# Altium PCB FMC_ADC_130M_16B_4CH.PcbDoc (part 2 of 8) (continued)
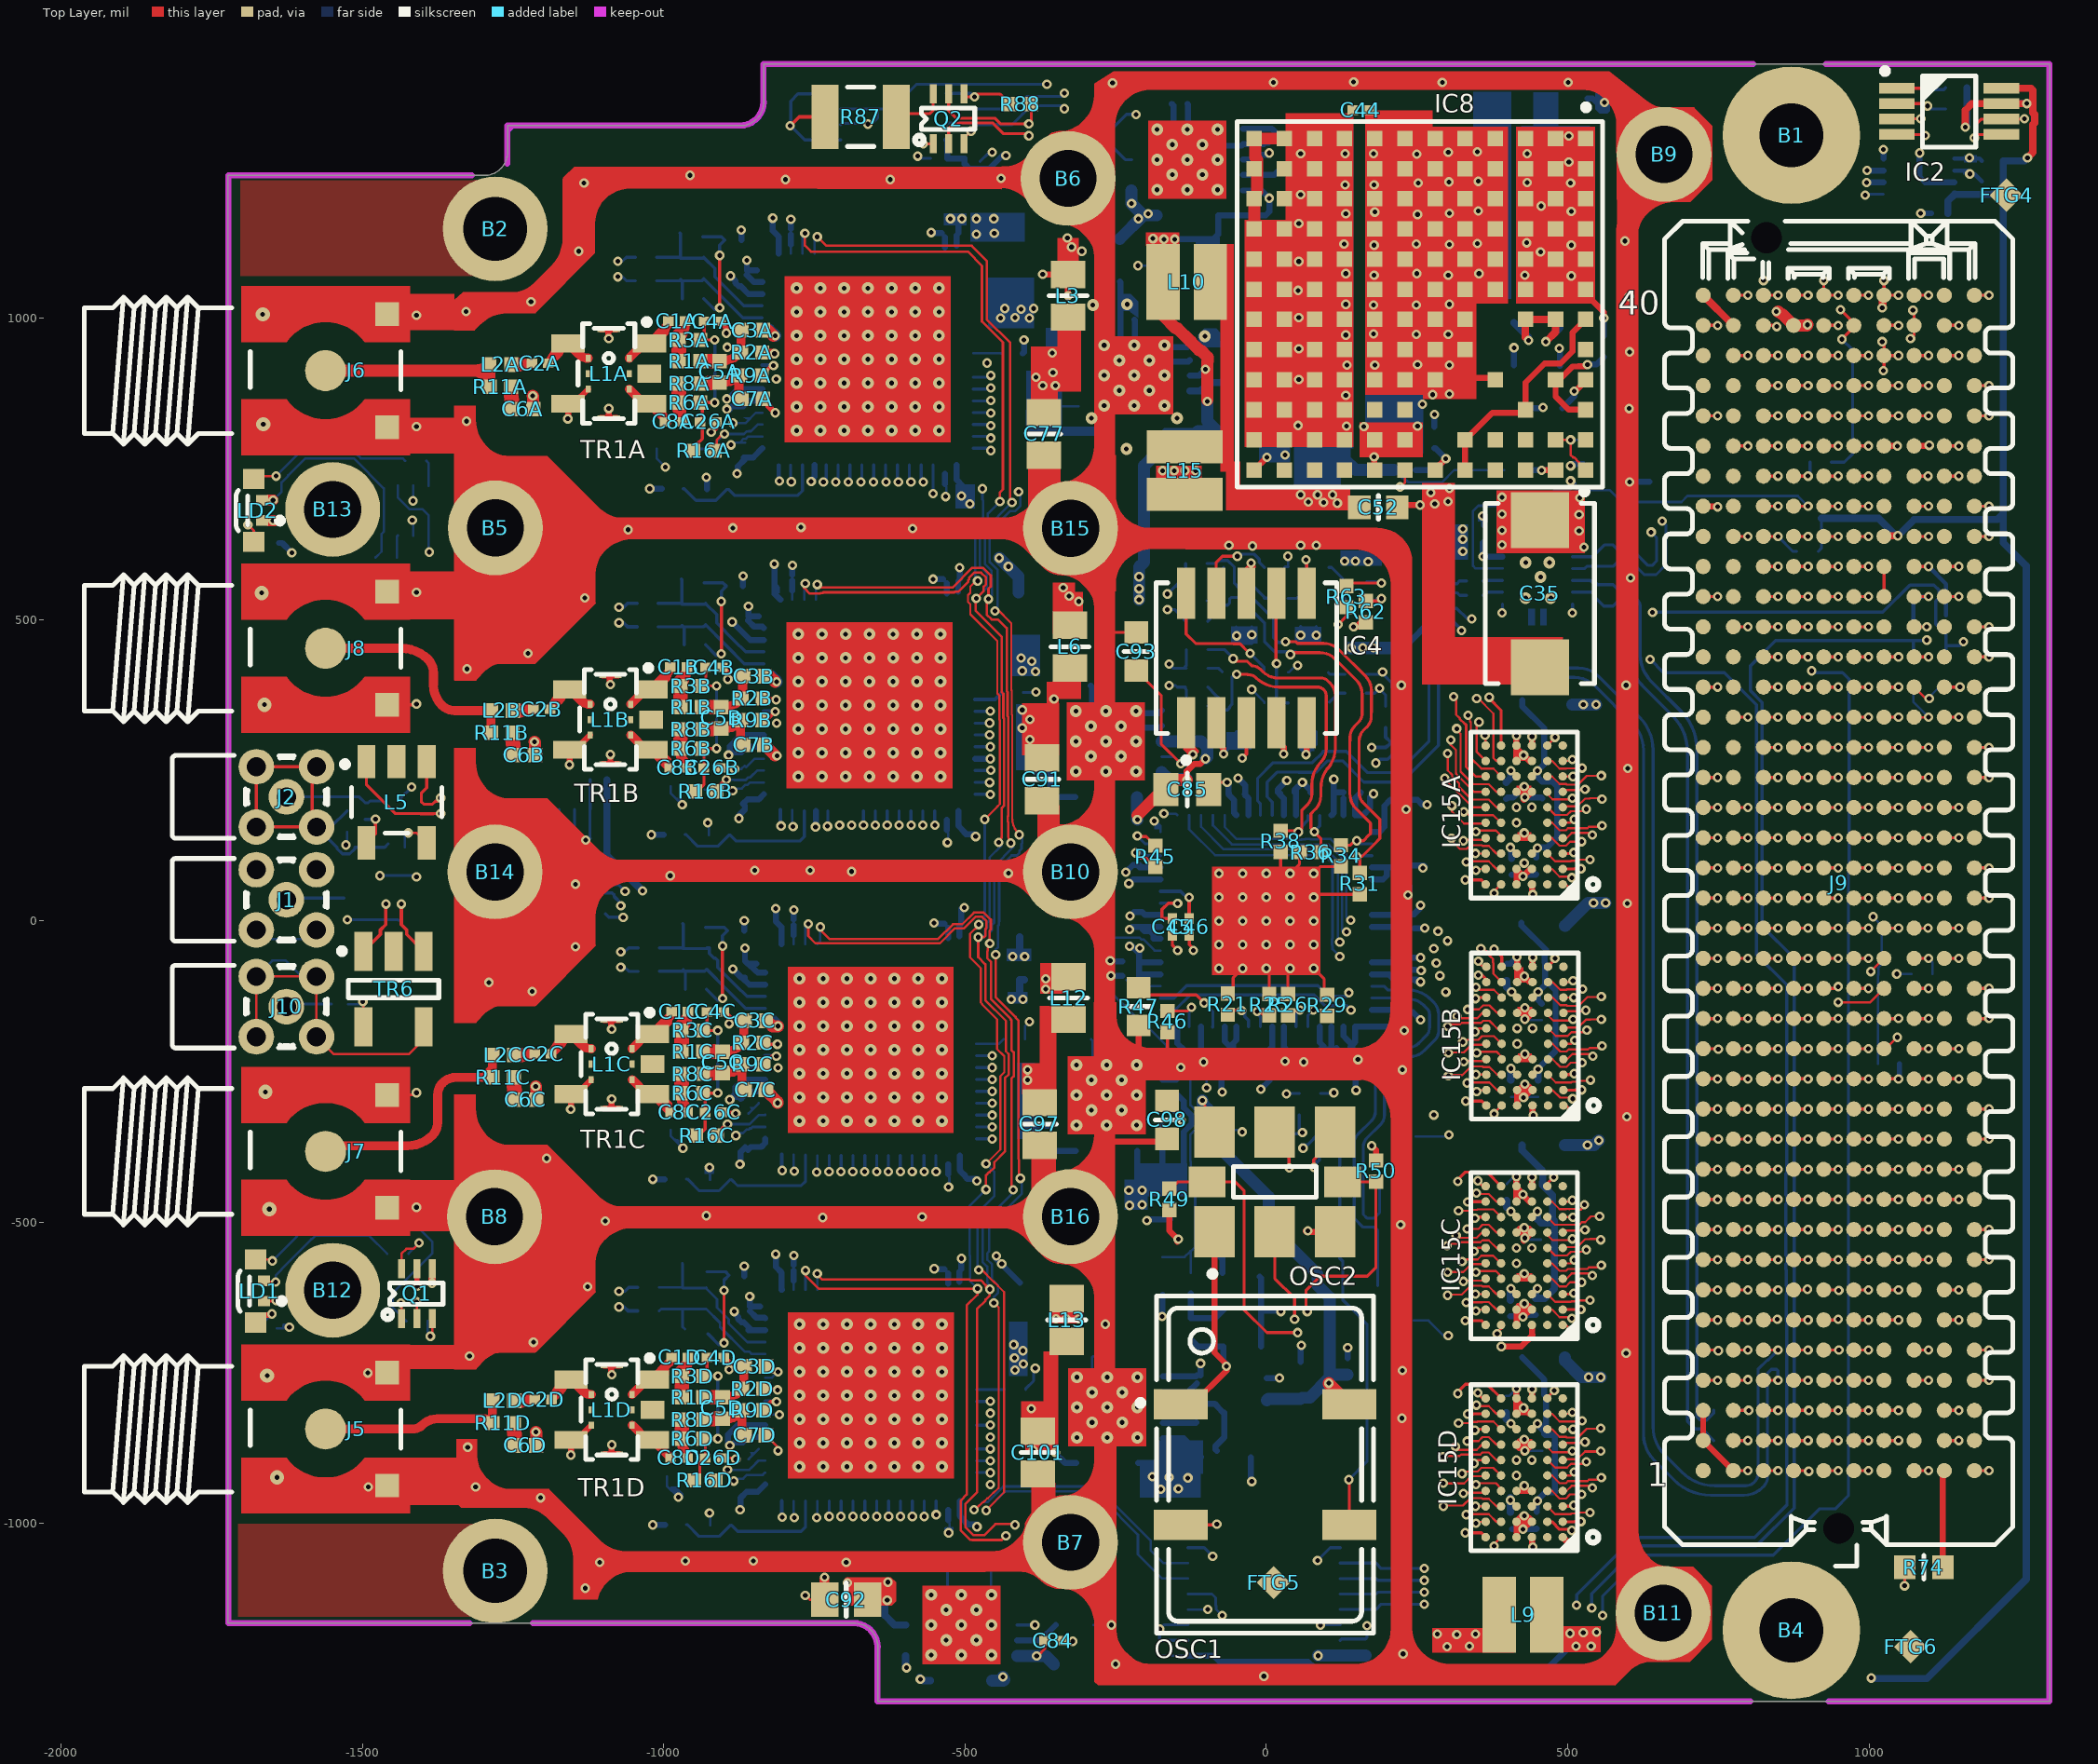
[diagram p0: Top Layer view]
## Part data (continued)
R83: library part R0402_390K_1%_0.0625W_100PPM, "Resistor - 1%"
R87: library part R1210_270R_5%_0.5W_200PPM, "Resistor - 5%"
R88: library part R0402_4K7_1%_0.0625W_100PPM, "Resistor - 1%"
TR1A TR1B TR1C TR1D TR2 TR3 TR4 TR5: library part XFMR_ANAREN_BD0205F5050A00, "70MHz - 1000MHz Ultra Low Profile Sub-Miniature Balanced to Unbalanced Transformer"
TR6: library part XFMR_MINI-CIRCUITS_TC1-1+, "50 Ohm  0.4 To 500MHz RF Transformers"

## Free pads (board coordinates)
  round 0 on Mid1: EndPad(8.34,553.66) StartPad(18.33,592.87)

## Via types
v1: diameter 15.75, hole 7.87, Top Layer to Bottom Layer, tented both sides, 1354 vias
v2: diameter 19.68, hole 7.87, Top Layer to Bottom Layer, tented both sides, 285 vias
v3: diameter 15.75, hole 7.87, Top Layer to Bottom Layer, 12 vias
v4: diameter 23.62, hole 7.87, Top Layer to Bottom Layer, tented both sides, 8 vias

## Nets (pads, with @x,y where several pads share a name; then routed paths per layer and width w, separated by ;. In a path a pad name is that pad's centre, name@x,y a point inside that pad or via, vN(x,y) a via of type N, cw(c..) or ccw(c..) an arc to the next point about the centre after c; other vN are vias at no path point)
3P3VAUX: C31.1 C41.1 C74.1 IC2.7 IC2.8 IC5.8 IC13.8 J9.d32 R4.2 R5.2 R32.2 R43.2 R44.2 | length 8251.5
  Top Layer w12: J9.d32@1024.92,638.01 1025.92,639 v1(1048,639) ; v1(1160,1317) 1160,1345 1170.8,1355.8 IC2.7@1219.61,1355.8 v1@1262,1355.8 ; IC2.8@1219.61,1381.39 1268.61,1381.39 1272,1378 1272,1356 ; v1(1263,1266) 1272,1275 1272,1321.14 1274.87,1324.01 1274.87,1337.99 1272,1340.86 1272,1354
  L5 w12: v1(-1035,50) -1052,67 -1084,67 -1125,26 -1181,26 -1255,-48 -1362,-48 -1708.32,-394.32 -1708.32,-935.68 -1663.39,-980.61 -1227.35,-980.61 -1181.83,-1026.13 -1181.83,-1131.17 -1162.2,-1150.8 -689.57,-1150.8 -689.57,-1150.34 -672.82,-1150.34 -672.65,-1150.52 -652.44,-1150.52 -630.11,-1172.85 -630.11,-1243.89 -593.27,-1280.72 416.28,-1280.72 441,-1256 v1(1004,-1256)
  Bottom Layer w5: R5.2@915.72,613 921,618.28 921,668
  Bottom Layer w12: C41.1@-1094.22,234 -1094.22,109.22 v1(-1035,50) ; 921,668 1016,668 1045,639 v1(1048,639) 1075,666 1213,666 1222.72,675.72 ; v1(1004,-1256) 1005,-1257 1096,-1257 1261,-1092 1261,589 1222.72,627.28 1222.72,675.72 ; C31.1@1130.78,1174 1130.78,1194.2 IC5.8@1142.06,1205.47 1142.34,1205.19 1203.24,1205.19 1203.52,1205.47 1214.47,1205.47 1222.72,1213.72 ; v1(1160,1317) 1162.72,1319.72 R32.2@1162.72,1347 R4.2@1162.72,1382 ; C74.1@1239,1356.78 1261.22,1356.78 v1(1262,1356) ; v1(1263,1266) 1258,1261 R43.2@1222.72,1261 R44.2@1222.72,1227 1222.72,1213.72 ; 1222.72,675.72 1222.72,1213.72
ACTIVE1_CLK_N: IC3.34 R34.1 R69.1 | length 714.4
  Top Layer w5: v1(40,442) 44.09,446.09 45.04,445.14 89.09,445.14 cw(c89.09,409.47) 114.31,434.69 149.09,399.91 cw(c124.82,375.65) 159.14,375.65 159.14,353.35 159.14,344.69 cw(c137.7,344.69) 152.86,329.53 146.24,322.92 146.24,322.46 ccw(c163.73,304.97) 139,304.97 139,298.82 138.67,298.49 138.67,211.63 ccw(c175.62,211.63) 149.5,185.51 173,162 173,144.85 170.16,142.01 ; R34.1@124,125.72 139.67,125.72 145.09,131.13 148.13,131.13 v1@149,132 ; v1(150,133) 161.01,133 170.09,142.08
  Bottom Layer w5: R69.1@-97.28,497 -70.44,523.84 -64.18,523.84 -60.86,527.16 -60.86,534.09 -58.31,536.64 -45,536.64 -3,494.64 -3,463.33 13.65,446.67 48.33,446.67 50,445 ; v1(150,133) 150,129 151.05,127.95 IC3.34@175.2,127.95
ACTIVE1_CLK_P: IC3.35 R31.1 R68.1 | length 777
  Top Layer w5: v1(32,463.33) 48.53,463.33 51.39,460.46 95.23,460.46 cw(c95.23,424.28) 120.81,449.87 164.32,406.36 ; v1@151,106 155,102 R31.1@155,79.72 ; v1@151,107 158.67,107 185.84,134.16 185.84,134.32 ; 164.34,406.33 cw(c139.82,381.86) 174.46,381.86 174.46,346.17 174.14,345.84 174.14,338.15 cw(c153.49,338.15) 168.09,323.55 168.09,323.09 161.43,316.43 ccw(c179.37,298.49) 154,298.49 154,212.83 ccw(c178.52,212.83) 161.18,195.49 188.33,168.35 188.33,136.81 185.84,134.32 ; 184.55,133.03 185.84,134.32
  Bottom Layer w5: R68.1@-98.28,593 -82.69,593 -77.53,598.16 -64.18,598.16 -52.88,586.86 -52.88,559.85 -45,551.97 -38.65,551.97 12.33,500.99 12.33,469.67 20,462 26,462 v1@32,468 ; v1(150,107) 151.27,108.27 IC3.35@175.2,108.27
ACTIVE2_CLK_N: IC3.28 R38.1 R71.1 | length 570.6
  Top Layer w4.98: v1(-49,409) -31,409 ccw(c-29.18,410.82) -29.18,408.25 -28.49,408.25 cw(c-28.49,391.99) -16.99,403.49 ccw(c20.35,440.83) 20.35,388.02 84.87,388.02 cw(c84.87,373.26) 95.3,383.69 ; R38.1@24,149.72 48.28,149.72 v1@51,147 ; v1(53.25,147.59) 59.14,153.47 59.14,184.21 68.33,193.4 ccw(c51.12,210.62) 75.47,210.62 75.47,225.31 cw(c131.37,225.31) 90.16,263.08 ccw(c67.61,285.64) 91.37,264.37 ccw(c67.61,285.64) 91.84,264.9 ccw(c67.61,285.64) 99.5,285.64 99.5,373.57 ccw(c85.18,373.57) 95.32,383.68
  Bottom Layer w4.98: R71.1@-97.28,357 -90.3,350.01 -69.01,350.01 ; -69,350 -66,350 -64.25,350.01 -61.04,353.23 -61.04,354.96 -57,359 -57,404 v1@-50.5,410.5 ; v1(53.25,147.59) 58.59,147.59 59,148 58.64,148 58.64,156.44 68.9,166.7 IC3.28@68.9,175.2
ACTIVE2_CLK_P: IC3.29 R36.1 R70.1 | length 563.7
  Top Layer w4.98: v1(-55,435) -50.64,430.64 -31.45,430.64 -24.04,423.23 cw(c-24.04,402.72) -9.54,417.22 -6.4,414.08 ccw(c20.35,440.83) 20.35,403 91.07,403 cw(c91.07,388.24) 101.51,398.68 106.39,393.79 cw(c86.86,374.27) 114.48,374.27 114.48,285.64 cw(c67.61,285.64) 106.82,259.96 ; v1(80,148) 74.12,153.88 74.12,178 81.35,185.24 ccw(c59.4,207.19) 90.45,207.19 90.45,219.9 cw(c144.43,219.9) 106.24,258.05 ; v1@81,146 90.72,136.28 R36.1@90.72,114 ; 100.75,252.49 ccw(c67.61,285.64) 106.82,259.96 ; 106.26,258.07 106.82,258.63 106.82,259.96
  Bottom Layer w4.98: R70.1@-97.28,450 -69,450 v1@-54.5,435.5 ; v1(80,148) 79,148 88.58,157.58 IC3.29@88.58,175.2
ACTIVE3_CLK_N: IC3.53 R29.1 R63.1 | length 910.1
  Top Layer w5: R29.1@99,-157.72 90.05,-148.77 v1@78,-148.77 ; v1@119,490 119,491 133,505 R63.1@133,520.28 ; v1@78,-148.77 78.38,-148.38 v1(78,-148) v1@78,-148.77
  L5 w5: v1@78,-149 82,-145 85.81,-145 ; v1@83.86,-144.84 ccw(c83.86,-129.84) 94.46,-140.45 129.43,-105.48 129.66,-105.48 152.52,-82.62 ccw(c111.53,-41.63) 169.5,-41.63 169.5,28.07 cw(c221.24,28.07) 184.65,64.65 ccw(c154.99,94.32) 196.94,94.32 196.94,166.73 cw(c222.93,166.73) 204.55,185.11 ccw(c183.76,205.9) 213.16,205.9 213.16,315.74 cw(c247.99,315.74) 223.35,340.35 244.86,361.86 ccw(c219.45,387.26) 255.38,387.26 255.38,402.74 ccw(c208.73,402.74) 241.72,435.73 186.56,490.89 ccw(c144.34,448.67) 157.07,507 ccw(c144.34,448.67) 154.27,507.54 ccw(c144.34,448.67) 144.34,508.37 136.56,508.37 124.63,496.44 124.63,492.63 124,492 v1(119,492)
  Bottom Layer w5: IC3.53@68.9,-175.2 68.9,-157.1 v1(78,-148) 78.38,-148.38 78,-148.77 v1@78,-149
ACTIVE3_CLK_P: IC3.54 R26.1 R62.1 | length 800.7
  Top Layer w5: v1@145,487 153.28,495.28 R62.1@165,495.28
  Top Layer w5.33: 48,-150 cw(c50.52,-150) v1@48.74,-148.22
  L5 w5: v1@57.64,-144.06 71.86,-129.84 76.48,-129.84 ccw(c76.48,-112.01) 89.08,-124.62 141.8,-71.9 ccw(c111.53,-41.63) 154.34,-41.63 154.34,34.28 cw(c206.24,34.28) 169.54,70.98 ccw(c139.99,100.53) 181.78,100.53 181.78,172.95 cw(c207.93,172.95) 189.44,191.44 ; v1(145,488) 150.71,488 cw(c150.71,446.25) 180.21,475.79 230.19,425.81 cw(c205.98,401.6) 240.22,401.6 240.22,393.48 cw(c204.45,393.48) 229.76,368.21 ; 189.45,191.45 ccw(c168.76,212.11) 198,212.11 198,321.95 cw(c232.99,321.95) 208.25,346.69 229.74,368.18
  Bottom Layer w5: IC3.54@49.21,-175.2 49.21,-152.21
  other v1: 56,-148
ACTIVE4_CLK_N: IC3.57 R25.1 R67.1 | length 688.4
  Top Layer w5: v1(-15,-150) -1.72,-150 R25.1@5,-156.72 -4.28,-156.72 v1@-9.84,-151.16
  L5 w5: v1(-15,-150) -16,-149 -16,-122 -11,-117 55.52,-117 77.19,-95.33 87.7,-95.33 94.24,-88.79 94.24,-70.58 108.35,-56.47 108.35,117.35 120,129 120,199.29 182,261.29 v1(182,262)
  Bottom Layer w5: v1@-14.54,-154.08 -9.84,-158.78 IC3.57@-9.84,-175.2 ; v1(182,262) 188,268 200,268 ; 200,267.65 200.51,267.65 221.5,288.64 221.5,295 221.5,297.31 230,305.81 R67.1@230,320.28
ACTIVE4_CLK_P: IC3.58 R21.1 R66.1 | length 694.6
  Top Layer w5.72: R21.1@-64,-155.72 -56.69,-148.41 v1(-41,-148.41)
  L5 w5: v1(-41,-148.41) -41,-140 -31.35,-130.35 -31.35,-115.64 -17.36,-101.65 45.42,-101.65 60.61,-86.46 60.61,-67.78 69.49,-58.9 84.21,-58.9 93,-50.11 93,123.71 104.65,135.36 104.65,205.65 161.27,262.27 161.27,270.59 173.41,282.73 174,282.73 175,283.73 v1(175,288)
  Bottom Layer w5.71: v1(-41,-148.41) -35.73,-148.41 -35.73,-158.59 -29.53,-164.79 IC3.58@-29.53,-175.2 ; v1(175,288) 198,288 200,290 ; R66.1@198,320.28 198,304.81 206.15,296.67 206.15,295 200.57,289.43
ADC1_CLK_N: C11A.1 R57.2 R69.2 | length 1539.3
  L5 w4.98: v1(-1076,1094.37) -1076,1130.97 cw(c-1020.4,1130.97) -1059.72,1170.28 -1053.46,1176.54 cw(c-1020.96,1144.03) -1020.96,1190 -672.45,1190 cw(c-672.45,1136.25) -634.48,1174.29 ; -634.44,1174.26 -513.3,1053.11 ccw(c-476.82,1089.59) -476.82,1038 -392.59,1038 cw(c-392.59,993.13) -360.86,1024.86 -347.31,1011.31 cw(c-386.73,971.89) -330.98,971.89 -330.98,855.02 ccw(c-274.9,855.02) -314.58,815.39 ; -314.56,815.37 -212.01,712.82 cw(c-250.65,674.18) -196,674.18 -196,545.57 -167.05,516.63 v1(-164,516.63)
  Bottom Layer w4.98: v1(-1076,1094.37) -1068.41,1094.37 -1061.79,1101 C11A.1@-1046.91,1101 ; v1(-164,516.63) -152.34,516.63 R69.2@-135.36,499.64 ; R57.2@-133.72,531 -133.72,501.28 R69.2@-135.36,499.64 ; R69.2@-133,500 -134,500 R69.2@-134.86,499.14 ; R69.2@-132.72,497 -134.36,498.64 R69.2@-134.86,499.14 ; R69.2@-135.36,499.64 -136,499 -135,499 R69.2@-134.86,499.14 ; R69.2@-135.36,499.64 R69.2@-134.86,499.14
ADC1_CLK_P: C9A.1 R56.2 R68.2 | length 1596.9
  L5 w4.98: v1(-1076,1068.63) -1079.05,1068.63 -1096.36,1085.94 -1096.36,1137.18 cw(c-1053.76,1137.18) -1083.89,1167.3 -1059.67,1191.52 ; -1059.64,1191.55 cw(c-1027.16,1159.01) -1027.16,1204.98 -666.25,1204.98 cw(c-666.25,1151.23) -628.25,1189.25 -507.09,1068.09 ccw(c-470.61,1104.57) -470.61,1052.98 -386.38,1052.98 cw(c-386.38,1008.11) -354.67,1039.86 ; -354.65,1039.84 -333.24,1018.42 cw(c-374.85,976.81) -316,976.81 -316,855.43 ccw(c-273.92,855.43) -303.68,825.68 -197.02,719.03 cw(c-235.67,680.38) -181.02,680.38 -181.02,559.39 v1(-164,542.37)
  Bottom Layer w4.98: v1(-1076,1068.63) -1068.41,1068.63 -1061.79,1062 C9A.1@-1046.91,1062 ; v1(-164,542.37) -143.33,563.04 -143.33,562 R56.2@-133.72,562 ; R56.2@-137,556 -133.72,559.28 R56.2@-133.72,562 ; R68.2@-133.72,593 R56.2@-133.72,562
ADC1_CLKA_N: C11A.2 C13A.1 IC1A.13 R15A.2 R18A.2 | length 259.6
  Bottom Layer w5.3: C11A.2@-1011.47,1101 -973.47,1101 C13A.1@-972.19,1099.72 ; R18A.2@-972.91,1141 -972.19,1140.28 C13A.1@-972.19,1099.72 ; R15A.2@-933.19,1100.72 R15A.2@-932.19,1099.72 ; IC1A.13@-836.39,1020.32 -866.62,1020.32 -884.85,1038.54 -914.73,1068.46 -914.73,1082.25 R15A.2@-932.19,1099.72 ; C13A.1@-972.19,1099.72 R15A.2@-932.19,1099.72
ADC1_CLKA_P: C9A.2 C13A.2 IC1A.12 R15A.1 R17A.2 | length 237
  Bottom Layer w5.3: C9A.2@-1011.47,1062 C13A.2@-969.91,1062 ; C13A.2@-972.19,1064.28 C13A.2@-969.91,1062 ; R17A.2@-968.72,1032 -968.72,1060.81 C13A.2@-969.91,1062 ; -900.15,1032.2 -868.58,1000.63 IC1A.12@-836.39,1000.63 ; -900.15,1032.25 R15A.1@-933.19,1065.28 -936.47,1062 C13A.2@-969.91,1062
ADC1_CLKB_N: C11B.2 C13B.1 IC1B.13 R15B.2 R18B.2 | length 259.6
  Bottom Layer w5.3: C11B.2@-1008.76,527 -970.76,527 C13B.1@-969.47,525.72 ; R18B.2@-970.19,567 -969.47,566.28 C13B.1@-969.47,525.72 ; R15B.2@-930.47,526.72 R15B.2@-929.47,525.72 ; IC1B.13@-833.68,446.32 -863.91,446.32 -882.13,464.54 -912.01,494.46 -912.01,508.25 R15B.2@-929.47,525.72 ; C13B.1@-969.47,525.72 R15B.2@-929.47,525.72
ADC1_CLKB_P: C9B.2 C13B.2 IC1B.12 R15B.1 R17B.2 | length 237
  Bottom Layer w5.3: C9B.2@-1008.76,488 C13B.2@-967.19,488 ; C13B.2@-969.47,490.28 C13B.2@-967.19,488 ; R17B.2@-966,458 -966,486.81 C13B.2@-967.19,488 ; -897.43,458.2 -865.86,426.63 IC1B.12@-833.68,426.63 ; -897.43,458.25 R15B.1@-930.47,491.28 -933.76,488 C13B.2@-967.19,488
ADC1_CLKC_N: C11C.2 C13C.1 IC1C.13 R15C.2 R18C.2 | length 267.3
  Bottom Layer w5.3: C11C.2@-1006.68,-44.57 -968.68,-44.57 C13C.1@-967.39,-45.86 ; R18C.2@-968.11,-4.57 -967.39,-5.29 C13C.1@-967.39,-45.86 ; R15C.2@-928.39,-44.86 R15C.2@-924.2,-44.86 ; -880.05,-107.04 -861.83,-125.26 IC1C.13@-831.6,-125.26 ; -880.05,-106.99 -909.93,-77.11 -909.93,-65.72 -913.83,-61.83 -916.58,-61.83 -924.2,-54.21 R15C.2@-924.2,-44.86 ; C13C.1@-967.39,-45.86 -925.2,-45.86 R15C.2@-924.2,-44.86
ADC1_CLKC_P: C9C.2 C13C.2 IC1C.12 R15C.1 R17C.2 | length 237
  Bottom Layer w5.3: C9C.2@-1006.68,-83.57 C13C.2@-965.11,-83.57 ; C13C.2@-967.39,-81.29 C13C.2@-965.11,-83.57 ; R17C.2@-963.92,-113.57 -963.92,-84.76 C13C.2@-965.11,-83.57 ; -895.36,-113.37 -863.79,-144.94 IC1C.12@-831.6,-144.94 ; -895.36,-113.33 R15C.1@-928.39,-80.29 -931.68,-83.57 C13C.2@-965.11,-83.57
ADC1_CLKD_N: C11D.2 C13D.1 IC1D.13 R15D.2 R18D.2 | length 269
  Bottom Layer w4.37: C11D.2@-1007.57,-608 -969.57,-608 C13D.1@-968.28,-609.28 ; R18D.2@-969,-568 -968.28,-568.72 C13D.1@-968.28,-609.28 ; IC1D.13@-831.49,-698.68 -860.93,-698.68 -891.89,-667.72 -891.89,-660.79 -911.29,-641.39 -911.29,-627.63 -929.28,-609.64 R15D.2@-929.28,-608.28 -930.28,-609.28 C13D.1@-968.28,-609.28
ADC1_CLKD_P: C9D.2 C13D.2 IC1D.12 R15D.1 R17D.2 | length 246.1
  Bottom Layer w4.37: C9D.2@-1007.57,-647 -1004.28,-643.72 R15D.1@-929.28,-643.72 -906.26,-666.74 -906.26,-673.67 -865.51,-714.42 -858,-714.42 -854.05,-718.37 IC1D.12@-831.49,-718.37 ; C13D.2@-968.28,-644.72 -968.28,-673.53 R17D.2@-964.81,-677
ADC2_CLK_N: C11B.1 R41.2 R71.2 | length 1189.5
  L5 w5: -1081.78,567.22 ccw(c-1049.99,535.47) -1094.92,535.47 -1094.92,517.08 -1093,515.16 -1079.21,515.16 v1(-1074,520.37) ; -1081.76,567.24 -1049.7,599.3 cw(c-1017.41,567) -1017.41,612.67 -522.69,612.67 cw(c-522.69,545.04) -474.87,592.86 -309.09,427.09 ccw(c-245.26,490.91) -309.05,427.05 ccw(c-245.26,490.91) -245.26,400.65 -171.02,400.65 v1(-161,390.63)
  Bottom Layer w5: v1(-161,390.63) -150.41,390.63 -147.79,388 R41.2@-134,388 ; R41.2@-134,385 -132.72,383.72 R71.2@-132.72,357
  Bottom Layer w5.71: v1(-1074,520.37) -1066.41,520.37 -1059.79,527 C11B.1@-1044.19,527
ADC2_CLK_P: C9B.1 R33.2 R70.2 | length 1244.8
  L5 w5: v1(-1074,494.63) -1079.21,499.84 -1099.35,499.84 -1110.24,510.73 -1110.24,541.68 cw(c-1064.99,541.68) -1096.99,573.69 -1056.15,614.53 cw(c-1023.62,582) -1023.62,628 -516.47,628 cw(c-516.47,560.04) -468.46,608.13 ; v1(-161,426) -171.02,415.98 -239.05,415.98 cw(c-239.05,505.91) -302.64,442.32 -468.42,608.1 ; -468.42,608.1 ccw(c-516.47,560.04) -468.46,608.13
  Bottom Layer w5: v1(-161,426) -154,419 R33.2@-132.72,419 ; R33.2@-135,421 -132.72,423.28 R70.2@-132.72,450
  Bottom Layer w5.71: v1(-1074,494.63) -1066.41,494.63 -1059.79,488 C9B.1@-1044.19,488
ADC3_CLK_N: C11C.1 R61.2 R63.2 | length 1819.9
  Top Layer w5: R63.2@136,558 138.37,560.37 v1(191,560.37)
  L5 w5: v1(-1071,-51.2) -1065.63,-56.57 -1022.04,-56.57 ccw(c-1022.04,-4.75) -985.42,-41.42 ; -985.4,-41.4 -902.57,41.43 cw(c-860.15,-0.99) -860.15,59 -467.36,59 cw(c-467.36,-15.36) -414.78,37.22 -404,26.44 ccw(c-373.96,56.48) -373.96,14 -289.87,14 ccw(c-289.87,57.15) -259.39,26.61 ; -259.36,26.64 -248.41,37.59 cw(c-227.71,16.89) -227.71,46.16 -219.38,46.16 ; -221.5,46 ccw(c-221.5,59.83) -219.38,46.16 ; -36.88,226.12 -55.77,207.23 cw(c-84.91,236.37) -84.91,195.16 -111.11,195.16 ccw(c-111.11,156.13) -138.71,183.73 -174.38,148.06 ccw(c-143.91,117.6) -187,117.6 -187,91.83 cw(c-227.64,91.83) -198.9,63.1 -203.66,58.34 -203.66,58.11 -211.72,50.05 cw(c-221.5,59.83) -213.33,48.67 cw(c-221.5,59.83) -219.38,46.16 ; -36.85,226.15 ccw(c-61.64,250.88) -26.63,250.88 -26.63,272.99 cw(c13.93,272.99) -14.75,301.66 -9.81,306.61 ccw(c-56.85,353.65) 9.68,353.65 9.68,366.76 ccw(c-21.56,366.76) 0.53,388.85 -0.78,390.16 cw(c30.22,421.17) -13.63,421.17 -13.63,443.84 cw(c40.98,443.84) 2.37,482.45 61.26,541.35 cw(c94.22,508.39) 94.22,555 185.63,555 v1(191,560.37)
  Bottom Layer w5: v1(-1071,-51.2) -1064.41,-51.2 -1057.79,-44.57 C11C.1@-1042.11,-44.57 ; R61.2@166.72,563 181.21,563 183.84,560.37 v1(191,560.37)
ADC3_CLK_P: C9C.1 R60.2 R62.2 | length 1791.2
  Top Layer w5: R62.2@165,530.72 189.72,530.72 192,533 v1@192,534
  L5 w5: v1(-1071,-76.95) -1065.79,-71.74 -1016.02,-71.74 ccw(c-1016.02,-19.29) -978.93,-56.38 -891.85,30.71 cw(c-860.15,-0.99) -860.15,43.84 -473.57,43.84 cw(c-473.57,-30.36) -421.12,22.12 ; -421.1,22.11 -410.71,11.71 ccw(c-379.63,42.79) -379.63,-1.16 -283.66,-1.16 ccw(c-283.66,42.15) -253.03,11.52 -242.08,22.47 cw(c-221.5,1.89) -221.5,31 ccw(c-221.5,59.83) -201.11,39.44 -183.79,56.77 ; -183.76,56.8 ccw(c-212.64,85.62) -171.84,85.62 -171.84,112.21 cw(c-130.91,112.21) -159.85,141.15 -132.38,168.62 cw(c-104.9,141.13) -104.9,180 -78.69,180 ccw(c-78.69,221.37) -49.46,192.09 ; -49.44,192.12 -21.76,219.8 ccw(c-46.63,244.66) -11.46,244.66 -11.46,272.99 cw(c14.48,272.99) -3.86,291.34 0.8,296 ccw(c-56.85,353.65) 24.68,353.65 24.68,366.76 ccw(c-21.56,366.76) 11.14,399.46 cw(c34.31,422.63) 1.54,422.63 1.54,441.8 cw(c45.91,441.8) 14.52,473.16 71.98,530.63 ; 72,530.64 cw(c94.22,508.39) 94.22,539.84 185.79,539.84 v1(191,534.63)
  Bottom Layer w5: v1(-1071,-76.95) -1064.41,-76.95 -1057.79,-83.57 C9C.1@-1042.11,-83.57 ; R60.2@166.72,532 181.21,532 183.84,534.63 v1(191,534.63)
ADC4_CLK_N: C11D.1 R59.2 R67.2 | length 2026.7
  L5 w5: v1(-1074,-614.63) -1068.63,-620 -1004.01,-620 ccw(c-1004.01,-557.21) -959.62,-601.62 ; -959.61,-601.61 -900.06,-542.06 cw(c-831.93,-610.18) -831.93,-513.84 -491.51,-513.84 ccw(c-491.51,-451.85) -447.68,-495.68 -389.74,-437.74 ccw(c-435,-392.49) -371,-392.49 -371,-273.32 ; -370.84,-273.32 -370.84,-248.12 cw(c-288.04,-248.12) -361.42,-209.77 cw(c-288.04,-248.12) -346.59,-189.57 -337.14,-180.13 cw(c-316.31,-200.96) -316.31,-171.5 ccw(c-316.31,-125.65) -283.89,-158.07 -199.18,-73.36 ccw(c-214.14,-58.4) -192.98,-58.4 -192.98,-49.94 cw(c-163.03,-49.94) -185,-29.59 cw(c-163.03,-49.94) -184.21,-28.77 -149.77,5.67 ; -149.75,5.69 cw(c-131.69,-12.41) -131.69,13.16 -129.3,13.16 ccw(c-129.3,33.6) -114.86,19.14 ccw(c-131.39,35.69) -108,35.69 -108,80.34 cw(c-55.71,80.34) -92.71,117.29 -19.71,190.29 cw(c10.97,159.62) 10.97,203 33.24,203 ccw(c33.24,250.7) 66.95,216.95 74.78,224.79 ccw(c54.23,245.34) 83.3,245.34 83.3,313.51 cw(c129.73,313.51) 96.9,346.34 140.04,389.48 cw(c168.24,361.28) 168.24,401.16 174.35,401.16 186.19,413 v1(193,413)
  Bottom Layer w5: v1(-1074,-614.63) -1064.41,-614.63 -1057.79,-608 C11D.1@-1043,-608 ; R59.2@165.72,409 v1@189,409 ; v1@195,407.81 208.37,394.44 208.37,387.63 211,385 211.09,385 218.46,377.63 220.37,377.63 230,368 R67.2@230,355.72
ADC4_CLK_P: C9D.1 R58.2 R66.2 | length 1985.4
  L5 w5: v1(-1074,-640.37) -1068.79,-635.16 -1000.13,-635.16 ccw(c-1000.13,-566.56) -951.63,-615.07 -893.73,-557.17 ; -893.7,-557.14 cw(c-825.71,-625.19) -825.71,-529 -485.3,-529 ccw(c-485.3,-466.85) -441.35,-510.8 -374.63,-444.07 ccw(c-420,-398.7) -355.84,-398.7 -355.84,-248.12 cw(c-288.04,-248.12) -349.02,-218.49 cw(c-288.04,-248.12) -335.98,-200.18 -326.53,-190.73 cw(c-316.31,-200.96) -316.31,-186.5 ccw(c-316.31,-125.65) -273.29,-168.69 -188.57,-83.96 ccw(c-214.14,-58.4) -188.29,-83.68 ccw(c-214.14,-58.4) -177.98,-58.4 -177.98,-49.94 cw(c-163.59,-49.94) -173.77,-39.77 -143.44,-9.44 cw(c-125.48,-27.41) -125.48,-2 ccw(c-125.48,24.36) -106.83,5.72 -99.73,12.82 -99.73,13.05 ccw(c-115.99,29.31) -93,29.31 -93,43.59 -92.84,43.75 -92.84,80.34 cw(c-55.71,80.34) -81.98,106.58 ; -81.96,106.59 -13.38,175.18 ; -13.35,175.21 cw(c17.18,144.62) 17.18,187.84 39.05,187.84 ccw(c39.05,236.68) 73.57,202.12 ; 73.59,202.14 89.9,218.46 ccw(c69.23,239.13) 98.46,239.13 98.46,312.07 cw(c133.21,312.07) 108.63,336.63 ; 108.64,336.64 150.76,378.76 cw(c168.24,361.28) 168.24,386 v1(188,386)
  Bottom Layer w5: R58.2@165.72,378 180.21,378 188,385.79 v1(188,386) ; v1@189,384 198,375 R66.2@198,355.72
  Bottom Layer w5.71: v1(-1074,-640.37) -1065.41,-640.37 -1058.79,-647 C9D.1@-1043,-647
AINA_N: IC1A.9 R2A.2 | length 41.7
  Top Layer w5: R2A.2@-836.28,943 -818,943 v1(-816,941)
  Bottom Layer w5: IC1A.9@-836.39,941.57 -816.57,941.57 v1(-816,941)
AINA_P: IC1A.8 R9A.2 | length 45.4
  Top Layer w6.39: R9A.2@-837.28,905 -821.03,921.25 v1(-817.62,921.25)
  Bottom Layer w6.39: IC1A.8@-836.39,921.89 -818.25,921.89 v1(-817.62,921.25)
AINB_N: IC1B.9 R2B.2 | length 43.5
  Top Layer w5: R2B.2@-835.28,369 -815.28,369 v1(-813.28,367)
  Bottom Layer w5: IC1B.9@-833.68,367.57 -813.86,367.57 v1(-813.28,367)
AINB_P: IC1B.8 R9B.2 | length 46.3
  Top Layer w6.39: R9B.2@-836.28,333 -829.15,333 v1(-814.9,347.25)
  Bottom Layer w6.39: IC1B.8@-833.68,347.89 -815.54,347.89 v1(-814.9,347.25)
AINC_N: IC1C.9 R2C.2 | length 42.5
  Top Layer w5: R2C.2@-832,-202 -829.43,-204.57 v1(-811.2,-204.57)
  Bottom Layer w5: IC1C.9@-831.6,-204 -811.78,-204 v1(-811.2,-204.57)
AINC_P: IC1C.8 R9C.2 | length 36
  Top Layer w6.39: R9C.2@-827,-231 -820.32,-224.32 v1(-812.82,-224.32)
  Bottom Layer w6.39: IC1C.8@-831.6,-223.68 -813.46,-223.68 v1(-812.82,-224.32)
AIND_N: IC1D.9 R2D.2 | length 41.7
  Top Layer w5: R2D.2@-831.38,-776 -813.09,-776 v1(-811.09,-778)
  Bottom Layer w5: IC1D.9@-831.49,-777.43 -811.67,-777.43 v1(-811.09,-778)
AIND_P: IC1D.8 R9D.2 | length 40.7
  Top Layer w6.39: R9D.2@-831,-806 -822.75,-797.75 v1(-812.71,-797.75)
  Bottom Layer w6.39: IC1D.8@-831.49,-797.11 -813.35,-797.11 v1(-812.71,-797.75)
B_CLKOUTAA: IC15A.A1 J9.d20 | length 606.3
  Top Layer w4: IC15A.A1@491.98,60.62 496.94,60.62 505,52.56 v1(505,51.56)
  Top Layer w5: J9.d20@1024.92,38.01 v1(1049,38)
  L5 w5: v1(505,51.56) 686.44,51.56 718,20 1001.09,20 1001.46,20.37 1012.54,20.37 1012.91,20 1031,20 v1(1049,38)
B_CLKOUTAB: IC15B.A1 J9.k16 | length 347.9
  Top Layer w4: IC15B.A1@493,-306.22 497.96,-306.22 506.02,-314.28 v1(506.02,-315.28)
  Top Layer w5: J9.k16@724.92,-161.99 v1(749,-162)
  L5 w5: v1(506.02,-315.28) 575.72,-315.28 729,-162 v1(749,-162)
B_CLKOUTAC: IC15C.A1 J9.g6 | length 462.5
  Top Layer w4: IC15C.A1@491.98,-670.37 496.94,-670.38 505,-678.44 v1(505,-679.44)
  Top Layer w5: J9.g6@874.92,-661.99 v1(899,-662)
  L5 w5: v1(505,-679.44) 678.56,-679.44 720,-638 875,-638 v1(899,-662)
B_CLKOUTAD: IC15D.A1 J9.e2 | length 633.2
  Top Layer w5: IC15D.A1@491.98,-1022.38 496.94,-1022.38 505,-1030.44 v1(505,-1031.44) ; J9.e2@974.92,-861.99 v1(999,-862)
  L3 w5: v1(505,-1031.44) 861.56,-1031.44 945,-948 960,-948 976,-932 976,-890 999,-867 v1(999,-862)
B_DA0A: IC15A.J2 J9.h28 | length 491.4
  Top Layer w3.5: IC15A.J2@466.7,265.35 IC15A.J2@466.39,265.35 474.1,265.35 486.74,252.71 497.21,252.71 497.69,253.18 502.11,253.18 502.36,252.93 503.11,252.93 503.36,253.18 514.64,253.18 515.63,252.19 522.63,252.19 v1(524,253.56)
  Top Layer w5: J9.h28@824.92,438.01 v1(849,438)
  L5 w5: v1(524,253.56) 524,256 550,282 565.06,282 716.06,433 844,433 v1(849,438)
B_DA0B: IC15B.J2 J9.j22 | length 480.9
  Top Layer w3.5: IC15B.J2@467.72,-101.5 IC15B.J2@467.41,-101.5 475.12,-101.5 487.76,-114.14 498.24,-114.14 498.71,-113.66 503.13,-113.66 503.38,-113.91 504.13,-113.91 504.38,-113.66 515.67,-113.66 516.66,-114.65 523.66,-114.65 v1(525.02,-113.28)
  Top Layer w5: J9.j22@774.92,138.01 v1(799,138)
  L3 w5: v1(525.02,-113.28) 530.02,-108.28 539.97,-108.28 730,81.75 730,104 744,118 781,118 799,136 v1(799,138)
B_DA0C: IC15C.J2 J9.g15 | length 587.9
  Top Layer w3.5: IC15C.J2@466.39,-465.65 474.1,-465.65 486.74,-478.29 497.21,-478.29 497.69,-477.82 502.11,-477.82 502.36,-478.07 503.11,-478.07 503.36,-477.82 514.64,-477.82 515.63,-478.81 522.63,-478.81 524,-477.44 523.56,-477 523,-477 528,-472 v1(528,-471) ; IC15C.J2@466.39,-465.65 IC15C.J2@466.7,-465.65
  Top Layer w5: J9.g15@874.92,-211.99 v1(899,-212)
  L5 w5: v1(528,-471) 529,-471 721,-279 721,-259 749,-231 880,-231 v1(899,-212)
B_DA0D: IC15D.J2 J9.j10 | length 602.5
  Top Layer w3.5: IC15D.J2@466.7,-817.65 IC15D.J2@466.39,-817.65 474.1,-817.65 486.74,-830.29 497.21,-830.29
  Top Layer w4.37: 497.21,-830.29 523.15,-830.29 v1(524,-829.44)
  Top Layer w5: J9.j10@774.92,-461.99 v1(799,-462)
  L3 w5: v1(524,-829.44) 529,-824.44 538.94,-824.44 545.32,-818.07 564.68,-818.07 663,-719.75 663,-620 663,-606 739,-530 763,-530 775,-518 775,-482 795,-462 v1(799,-462)
B_DA1A: IC15A.J1 J9.h29 | length 473.9
  Top Layer w3.5: IC15A.J1@491.98,265.35 506.79,265.35 508,266.56 v1(508,267.56)
  Top Layer w5: J9.h29@824.92,488.01 v1(849,488)
  L5 w5: v1(508,267.56) 534.44,294 555,294 707,446 807,446 v1(849,488)
B_DA1B: IC15B.J1 J9.k22 | length 400.7
  Top Layer w3.5: IC15B.J1@493,-101.5 507.81,-101.5 509.02,-100.28 v1(509.02,-99.28)
  Top Layer w5: J9.k22@724.92,138.01 v1(749,138)
  L3 w5: v1(509.02,-99.28) 518.7,-99.28 519.07,-98.91 536.61,-98.91 712,76.48 712,112 738,138 v1(749,138)
B_DA1C: IC15C.J1 J9.g16 | length 575
  Top Layer w3.5: IC15C.J1@491.98,-465.65 506.79,-465.65 508,-464.44 v1(508,-463.44)
  Top Layer w5: J9.g16@874.92,-161.99 v1(899,-162)
  L5 w5: v1(508,-463.44) 508,-462 692,-278 692,-249.57 751.57,-190 871,-190 v1(899,-162)
B_DA1D: IC15D.J1 J9.k10 | length 522.2
  Top Layer w3.5: IC15D.J1@491.98,-817.65 506.79,-817.65 508,-816.44 v1(508,-815.44)
  Top Layer w5: J9.k10@724.92,-461.99 v1(749,-462)
  L3 w5: v1(508,-815.44) 517.67,-815.44 518.05,-815.07 535.59,-815.07 541.59,-809.07 560.95,-809.07 653,-717.02 653,-592 731,-514 731,-480 v1(749,-462)
B_DA2A: IC15A.H2 J9.g27 | length 530.6
  Top Layer w3.5: IC15A.H2@466.39,239.76 474.1,239.76 486.74,227.12 497.21,227.12 498.39,225.93 517.11,225.93 531.73,240.56 555,240.56 555,241.56 555.56,241 v1(556,241)
  Top Layer w5: J9.g27@874.92,388.01 v1(899,388)
  L5 w5: v1(556,241) 569,241 697,369 880,369 v1(899,388)
B_DA2B: IC15B.H2 J9.k20 | length 386.1
  Top Layer w3.5: IC15B.H2@467.41,-127.09 475.12,-127.09 487.76,-139.73 498.24,-139.73 499.42,-140.91 518.13,-140.91 532.76,-126.28 556.02,-126.28 v1(556.02,-125.28)
  Top Layer w5: J9.k20@724.92,38.01 v1(749,38)
  L3 w5: v1(556.02,-125.28) 567.72,-125.28 731,38 v1(749,38)
B_DA2C: IC15C.H2 J9.h13 | length 491.6
  Top Layer w3.5: IC15C.H2@466.39,-491.24 479,-503.85 479,-504 503.71,-504 503.77,-504.07 519.52,-504.07 523.77,-499.82 529,-499.82 538.82,-490 v1(553,-490)
  Top Layer w5: J9.h13@824.92,-311.99 v1(849,-312)
  L5 w5: v1(553,-490) 715,-328 794,-328 795.63,-326.37 834.63,-326.37 v1(849,-312)
B_DA2D: IC15D.H2 J9.k8 | length 514.1
  Top Layer w3.5: IC15D.H2@466.39,-843.24 474.1,-843.24 486.74,-855.88 497.21,-855.88 498.39,-857.07 517.11,-857.07 531.73,-842.44 555,-842.44 v1(555,-841.44)
  Top Layer w5: J9.k8@724.92,-561.99 v1(749,-562)
  L3 w5: v1(555,-841.44) 601.1,-841.44 681,-761.54 681,-631 v1@751,-561
B_DA3A: IC15A.H1 J9.g28 | length 513.7
  Top Layer w3.5: IC15A.H1@491.98,239.76 508.8,239.76 v1(509,239.56)
  Top Layer w5: J9.g28@874.92,438.01 v1(899,438)
  L5 w5: v1(509,239.56) 517.67,239.56 518.05,239.18 529.95,239.18 530.33,239.56 533.57,239.56 549.31,255.3 549.97,255.3 550.05,255.37 559.37,255.37 722,418 879,418 v1(899,438)
B_DA3B: IC15B.H1 J9.j21 | length 419.6
  Top Layer w3.5: IC15B.H1@493,-127.09 509.83,-127.09 v1(510.02,-127.28)
  Top Layer w5: J9.j21@774.92,88.01 v1(799,88)
  L3 w5: v1(510.02,-127.28) 518.7,-127.28 519.07,-127.66 530.98,-127.66 531.35,-127.28 533.7,-127.28 726.98,66 759,66 781,88 v1(799,88)
B_DA3C: IC15C.H1 J9.h14 | length 476.2
  Top Layer w3.5: IC15C.H1@491.98,-491.24 508.8,-491.24 v1(509,-491.44)
  Top Layer w5: J9.h14@824.92,-261.99 v1(849,-262)
  L5 w5: v1(509,-491.44) 530.12,-491.44 728.57,-293 818,-293 v1(849,-262)
B_DA3D: IC15D.H1 J9.j9 | length 539.7
  Top Layer w3.5: IC15D.H1@491.98,-843.24 508.8,-843.24 v1(509,-843.44)
  Top Layer w5: J9.j9@774.92,-511.99 v1(799,-512)
  L3 w5: v1(509,-843.44) 517.67,-843.44 518.05,-843.82 529.95,-843.82 530.33,-843.44 532.67,-843.44 549.05,-827.07 580.93,-827.07 672,-736 672,-615 745,-542 767,-542 776.5,-532.5 778.5,-532.5 v1(799,-512)
B_DA4A: IC15A.G2 J9.h25 | length 451.5
  Top Layer w3.5: IC15A.G2@466.39,214.17 466.39,210.17 475.03,201.53 505.97,201.53 v1(508,203.56) v1@508.93,204.49
  Top Layer w5: J9.h25@824.92,288.01 v1(849,288)
  L5 w5: v1(508,203.56) 536.46,203.56 541.63,208.73 541.63,208.95 546.79,214.11 547.01,214.11 550.2,217.3 618.3,217.3 689,288 v1(849,288)